# Altium PCB ANTS-MotherBoard-B1.PcbDoc (part 2 of 2)
Units mm, origin at the board's own origin, x right, y up, seen from the top; angles counter-clockwise.
Board outline 200 x 200 mm, 2 copper layers (Top Layer, Bottom Layer); 40 components, 104 nets, 872 pads, 222 vias.
Unrouted connection lines stored in the file: 8.
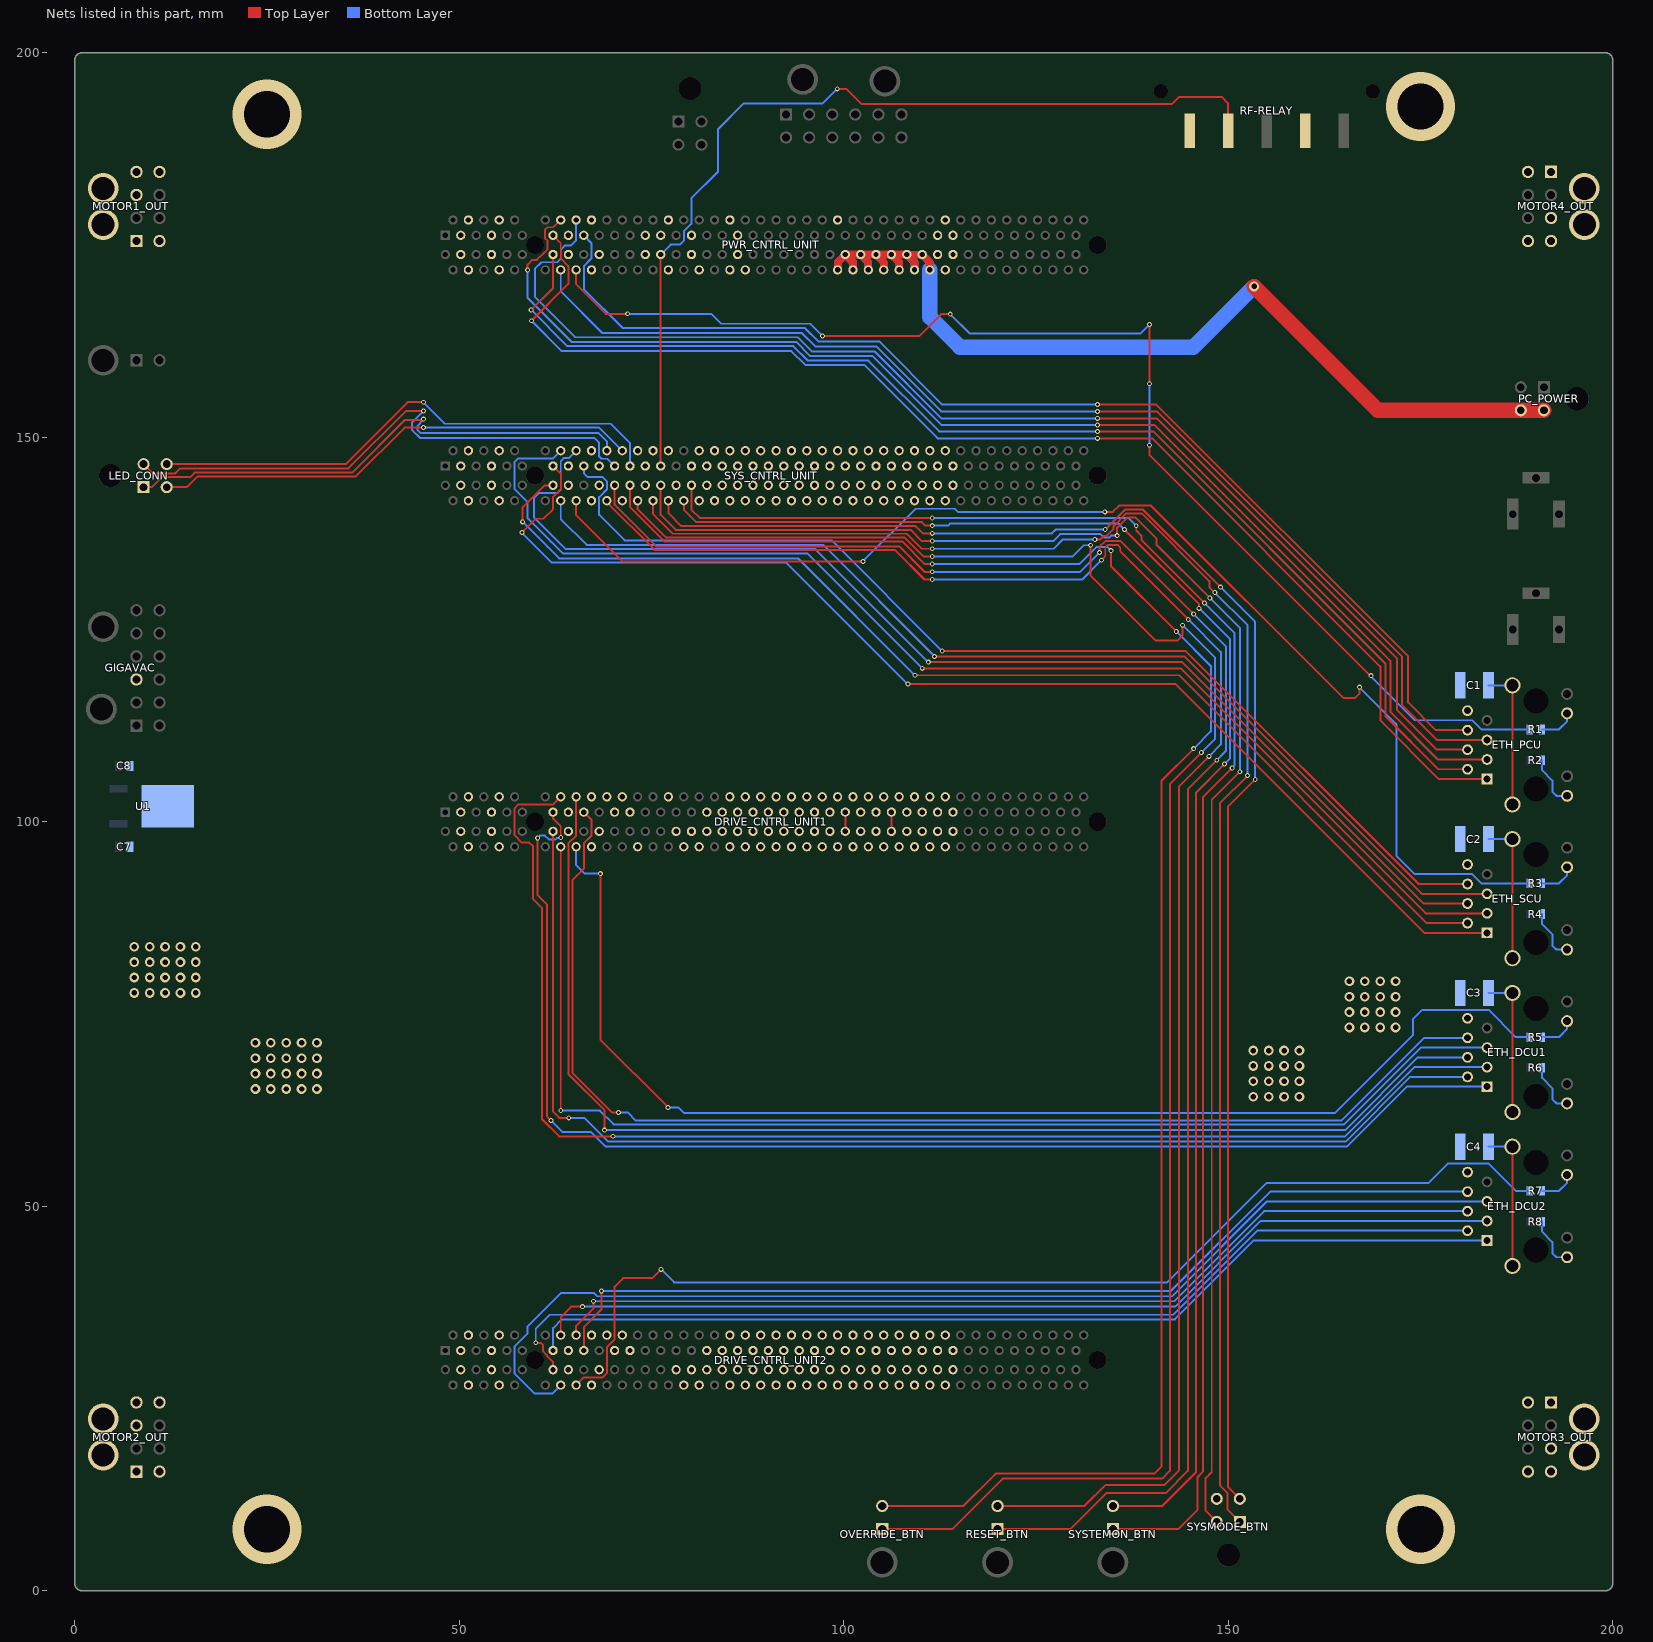
[diagram p2: the nets of this part, all layers, seen from the top]

## Via types
v1: diameter 0.635, hole 0.356, Top Layer to Bottom Layer, 132 vias
v2: diameter 1.27, hole 0.711, Top Layer to Bottom Layer, 86 vias
v3: diameter 9, hole 6, Top Layer to Bottom Layer, 4 vias

## Nets (pads, with @x,y where several pads share a name; then routed paths per layer and width w, separated by ;. In a path a pad name is that pad's centre, name@x,y a point inside that pad or via, vN(x,y) a via of type N, cw(c..) or ccw(c..) an arc to the next point about the centre after c; other vN are vias at no path point) (continued)
GND: C1.2 C2.2 C3.2 C4.2 C7.2 C8.2 DRIVE_CNTRL_UNIT1.A3 DRIVE_CNTRL_UNIT1.A4 DRIVE_CNTRL_UNIT1.A7 DRIVE_CNTRL_UNIT1.A8 DRIVE_CNTRL_UNIT1.A15 DRIVE_CNTRL_UNIT1.A18 DRIVE_CNTRL_UNIT1.A20 DRIVE_CNTRL_UNIT1.A21 DRIVE_CNTRL_UNIT1.A22 DRIVE_CNTRL_UNIT1.A23 DRIVE_CNTRL_UNIT1.A28 DRIVE_CNTRL_UNIT1.A33 DRIVE_CNTRL_UNIT1.A35 DRIVE_CNTRL_UNIT1.A36 DRIVE_CNTRL_UNIT1.A37 DRIVE_CNTRL_UNIT1.A43 DRIVE_CNTRL_UNIT1.A44 DRIVE_CNTRL_UNIT1.A50 DRIVE_CNTRL_UNIT1.A51 DRIVE_CNTRL_UNIT1.A57 DRIVE_CNTRL_UNIT1.A58 DRIVE_CNTRL_UNIT1.A64 DRIVE_CNTRL_UNIT1.A65 DRIVE_CNTRL_UNIT1.B3 DRIVE_CNTRL_UNIT1.B4 DRIVE_CNTRL_UNIT1.B7 DRIVE_CNTRL_UNIT1.B8 DRIVE_CNTRL_UNIT1.B15 DRIVE_CNTRL_UNIT1.B18 DRIVE_CNTRL_UNIT1.B19 DRIVE_CNTRL_UNIT1.B24 DRIVE_CNTRL_UNIT1.B29 DRIVE_CNTRL_UNIT1.B30 DRIVE_CNTRL_UNIT1.B31 DRIVE_CNTRL_UNIT1.B32 DRIVE_CNTRL_UNIT1.B33 DRIVE_CNTRL_UNIT1.B35 DRIVE_CNTRL_UNIT1.B36 DRIVE_CNTRL_UNIT1.B37 DRIVE_CNTRL_UNIT1.B43 DRIVE_CNTRL_UNIT1.B44 DRIVE_CNTRL_UNIT1.B50 DRIVE_CNTRL_UNIT1.B51 DRIVE_CNTRL_UNIT1.B57 DRIVE_CNTRL_UNIT1.B58 DRIVE_CNTRL_UNIT1.B64 DRIVE_CNTRL_UNIT1.B65 DRIVE_CNTRL_UNIT2.A3 DRIVE_CNTRL_UNIT2.A4 DRIVE_CNTRL_UNIT2.A7 DRIVE_CNTRL_UNIT2.A8 DRIVE_CNTRL_UNIT2.A15 DRIVE_CNTRL_UNIT2.A18 DRIVE_CNTRL_UNIT2.A20 DRIVE_CNTRL_UNIT2.A21 DRIVE_CNTRL_UNIT2.A22 DRIVE_CNTRL_UNIT2.A23 DRIVE_CNTRL_UNIT2.A33 DRIVE_CNTRL_UNIT2.A35 DRIVE_CNTRL_UNIT2.A36 DRIVE_CNTRL_UNIT2.A37 DRIVE_CNTRL_UNIT2.A43 DRIVE_CNTRL_UNIT2.A44 DRIVE_CNTRL_UNIT2.A50 DRIVE_CNTRL_UNIT2.A51 DRIVE_CNTRL_UNIT2.A57 DRIVE_CNTRL_UNIT2.A58 DRIVE_CNTRL_UNIT2.A64 DRIVE_CNTRL_UNIT2.A65 DRIVE_CNTRL_UNIT2.B3 DRIVE_CNTRL_UNIT2.B4 DRIVE_CNTRL_UNIT2.B7 DRIVE_CNTRL_UNIT2.B8 DRIVE_CNTRL_UNIT2.B15 DRIVE_CNTRL_UNIT2.B18 DRIVE_CNTRL_UNIT2.B19 DRIVE_CNTRL_UNIT2.B29 DRIVE_CNTRL_UNIT2.B30 DRIVE_CNTRL_UNIT2.B31 DRIVE_CNTRL_UNIT2.B32 DRIVE_CNTRL_UNIT2.B33 DRIVE_CNTRL_UNIT2.B35 DRIVE_CNTRL_UNIT2.B36 DRIVE_CNTRL_UNIT2.B37 DRIVE_CNTRL_UNIT2.B43 DRIVE_CNTRL_UNIT2.B44 DRIVE_CNTRL_UNIT2.B50 DRIVE_CNTRL_UNIT2.B51 DRIVE_CNTRL_UNIT2.B57 DRIVE_CNTRL_UNIT2.B58 DRIVE_CNTRL_UNIT2.B64 DRIVE_CNTRL_UNIT2.B65 ETH_DCU1.8 ETH_DCU2.8 ETH_PCU.8 ETH_SCU.8 GIGAVAC.3 MOTOR1_OUT.3 MOTOR1_OUT.MH1 MOTOR1_OUT.MH2 MOTOR2_OUT.3 MOTOR2_OUT.MH1 MOTOR2_OUT.MH2 MOTOR3_OUT.3 MOTOR3_OUT.MH1 MOTOR3_OUT.MH2 MOTOR4_OUT.3 MOTOR4_OUT.MH1 MOTOR4_OUT.MH2 PWR_CNTRL_UNIT.A3 PWR_CNTRL_UNIT.A4 PWR_CNTRL_UNIT.A7 PWR_CNTRL_UNIT.A8 PWR_CNTRL_UNIT.A15 PWR_CNTRL_UNIT.A18 PWR_CNTRL_UNIT.A25 PWR_CNTRL_UNIT.A27 PWR_CNTRL_UNIT.A28 PWR_CNTRL_UNIT.A31 PWR_CNTRL_UNIT.A36 PWR_CNTRL_UNIT.A37 PWR_CNTRL_UNIT.A50 PWR_CNTRL_UNIT.A63 PWR_CNTRL_UNIT.A64 PWR_CNTRL_UNIT.A65 PWR_CNTRL_UNIT.B3 PWR_CNTRL_UNIT.B4 PWR_CNTRL_UNIT.B7 PWR_CNTRL_UNIT.B8 PWR_CNTRL_UNIT.B15 PWR_CNTRL_UNIT.B18 PWR_CNTRL_UNIT.B19 PWR_CNTRL_UNIT.B25 PWR_CNTRL_UNIT.B28 PWR_CNTRL_UNIT.B31 PWR_CNTRL_UNIT.B32 PWR_CNTRL_UNIT.B36 PWR_CNTRL_UNIT.B37 PWR_CNTRL_UNIT.B38 PWR_CNTRL_UNIT.B63 PWR_CNTRL_UNIT.B64 PWR_CNTRL_UNIT.B65 RF-RELAY.2 RF-RELAY.5 SYS_CNTRL_UNIT.A3 SYS_CNTRL_UNIT.A4 SYS_CNTRL_UNIT.A7 SYS_CNTRL_UNIT.A8 SYS_CNTRL_UNIT.A15 SYS_CNTRL_UNIT.A18 SYS_CNTRL_UNIT.A19 SYS_CNTRL_UNIT.A24 SYS_CNTRL_UNIT.A25 SYS_CNTRL_UNIT.A26 SYS_CNTRL_UNIT.A28 SYS_CNTRL_UNIT.A31 SYS_CNTRL_UNIT.A32 SYS_CNTRL_UNIT.A33 SYS_CNTRL_UNIT.A34 SYS_CNTRL_UNIT.A35 SYS_CNTRL_UNIT.A36 SYS_CNTRL_UNIT.A37 SYS_CNTRL_UNIT.A38 SYS_CNTRL_UNIT.A39 SYS_CNTRL_UNIT.A40 SYS_CNTRL_UNIT.A41 SYS_CNTRL_UNIT.A42 SYS_CNTRL_UNIT.A43 SYS_CNTRL_UNIT.A44 SYS_CNTRL_UNIT.A45 SYS_CNTRL_UNIT.A46 SYS_CNTRL_UNIT.A47 SYS_CNTRL_UNIT.A48 SYS_CNTRL_UNIT.A49 SYS_CNTRL_UNIT.A50 SYS_CNTRL_UNIT.A51 SYS_CNTRL_UNIT.A52 SYS_CNTRL_UNIT.A53 SYS_CNTRL_UNIT.A54 SYS_CNTRL_UNIT.A55 SYS_CNTRL_UNIT.A56 SYS_CNTRL_UNIT.A57 SYS_CNTRL_UNIT.A58 SYS_CNTRL_UNIT.A59 SYS_CNTRL_UNIT.A60 SYS_CNTRL_UNIT.A61 SYS_CNTRL_UNIT.A62 SYS_CNTRL_UNIT.A63 SYS_CNTRL_UNIT.A64 SYS_CNTRL_UNIT.A65 SYS_CNTRL_UNIT.B3 SYS_CNTRL_UNIT.B4 SYS_CNTRL_UNIT.B7 SYS_CNTRL_UNIT.B8 SYS_CNTRL_UNIT.B15 SYS_CNTRL_UNIT.B18 SYS_CNTRL_UNIT.B19 SYS_CNTRL_UNIT.B22 SYS_CNTRL_UNIT.B25 SYS_CNTRL_UNIT.B29 SYS_CNTRL_UNIT.B32 SYS_CNTRL_UNIT.B33 SYS_CNTRL_UNIT.B34 SYS_CNTRL_UNIT.B35 SYS_CNTRL_UNIT.B36 SYS_CNTRL_UNIT.B37 SYS_CNTRL_UNIT.B38 SYS_CNTRL_UNIT.B39 SYS_CNTRL_UNIT.B40 SYS_CNTRL_UNIT.B41 SYS_CNTRL_UNIT.B42 SYS_CNTRL_UNIT.B43 SYS_CNTRL_UNIT.B44 SYS_CNTRL_UNIT.B45 SYS_CNTRL_UNIT.B46 SYS_CNTRL_UNIT.B47 SYS_CNTRL_UNIT.B48 SYS_CNTRL_UNIT.B49 SYS_CNTRL_UNIT.B50 SYS_CNTRL_UNIT.B51 SYS_CNTRL_UNIT.B52 SYS_CNTRL_UNIT.B53 SYS_CNTRL_UNIT.B54 SYS_CNTRL_UNIT.B55 SYS_CNTRL_UNIT.B56 SYS_CNTRL_UNIT.B57 SYS_CNTRL_UNIT.B58 SYS_CNTRL_UNIT.B59 SYS_CNTRL_UNIT.B60 SYS_CNTRL_UNIT.B61 SYS_CNTRL_UNIT.B62 SYS_CNTRL_UNIT.B63 SYS_CNTRL_UNIT.B64 SYS_CNTRL_UNIT.B65 SYSMODE_BTN.4 U1.4 | length 7.7
  Top Layer w0.254: DRIVE_CNTRL_UNIT1.B43@92.2,98.75 DRIVE_CNTRL_UNIT1.A43@92.2,101.25 ; DRIVE_CNTRL_UNIT1.B51@100.2,98.75 DRIVE_CNTRL_UNIT1.A51@100.2,101.25 ; DRIVE_CNTRL_UNIT1.B57@106.2,98.75 106.327,98.75 106.2,98.877 DRIVE_CNTRL_UNIT1.A57@106.2,101.25
  other v3: 25,8 175,8 25,192 175,193
GND_ETH_DCU1: C3.1 ETH_DCU1.S1 ETH_DCU1.S2 | length 18.6
  Top Layer w0.254: ETH_DCU1.S1@186.95,62.255 ETH_DCU1.S2@186.95,77.745
  Bottom Layer w0.254: C3.1@183.855,77.745 ETH_DCU1.S2@186.95,77.745
GND_ETH_DCU2: C4.1 ETH_DCU2.S1 ETH_DCU2.S2 | length 18.6
  Top Layer w0.254: ETH_DCU2.S1@186.95,42.255 ETH_DCU2.S2@186.95,57.745
  Bottom Layer w0.254: C4.1@183.855,57.745 ETH_DCU2.S2@186.95,57.745
GND_ETH_PCU: C1.1 ETH_PCU.S1 ETH_PCU.S2 | length 18.6
  Top Layer w0.254: ETH_PCU.S1@186.95,102.255 ETH_PCU.S2@186.95,117.745
  Bottom Layer w0.254: C1.1@183.85,117.75 183.855,117.745 ETH_PCU.S2@186.95,117.745
GND_ETH_SCU: C2.1 ETH_SCU.S1 ETH_SCU.S2 | length 18.6
  Top Layer w0.254: ETH_SCU.S1@186.95,82.255 ETH_SCU.S2@186.95,97.745
  Bottom Layer w0.254: C2.1@183.855,97.745 ETH_SCU.S2@186.95,97.745
LED_GND: LED_CONN.4 SYS_CNTRL_UNIT.A23 | length 68.9
  Top Layer w0.254: LED_CONN.4@11.965,146.5 11.965,146.565 12.05,146.65 12.2,146.5 35.25,146.5 43.3,154.55 v1(45.35,154.55)
  Bottom Layer w0.254: v1(45.35,154.55) 48.15,151.75 69.7,151.75 72.2,149.25 SYS_CNTRL_UNIT.A23@72.2,146.25
LED_MOSI: LED_CONN.2 SYS_CNTRL_UNIT.A21 | length 72.9
  Top Layer w0.254: LED_CONN.2@8.965,146.5 8.965,146.485 9.05,146.4 9.065,146.4 10.165,145.3 13.1,145.3 13.75,145.95 35.6,145.95 43.05,153.4 v1(45.35,153.4)
  Bottom Layer w0.254: v1(45.35,153.4) 43.85,151.9 43.85,150.95 44.9,149.9 67.55,149.9 68.2,149.25 68.2,147.5 68.5,147.2 69.25,147.2 SYS_CNTRL_UNIT.A21@70.2,146.25 ; SYS_CNTRL_UNIT.A21@70.2,146.25 70.25,146.2 70.3,146.2 70.25,146.25 SYS_CNTRL_UNIT.A21@70.2,146.25
LED_PWR: LED_CONN.1 SYS_CNTRL_UNIT.A20 | length 68.2
  Top Layer w0.254: LED_CONN.1@8.965,143.5 10.05,143.5 11.35,144.8 15,144.8 15.6,145.4 36.1,145.4 42.95,152.25 v1@45.35,152.25
  Bottom Layer w0.254: v1@45.35,152.25 44.55,151.45 44.55,150.95 44.95,150.55 68.1,150.55 69.2,149.45 SYS_CNTRL_UNIT.A20@69.2,148.25 SYS_CNTRL_UNIT.A20@69.3,148.25
  other v1: 45.35,152.35
LED_SCLK: LED_CONN.3 SYS_CNTRL_UNIT.A22 | length 63.7
  Top Layer w0.254: LED_CONN.3@11.965,143.5 14.6,143.5 16,144.9 36.55,144.9 42.9,151.25 v1(45.35,151.25)
  Bottom Layer w0.254: v1(45.35,151.25) 68.2,151.25 71.15,148.3 71.2,148.3 SYS_CNTRL_UNIT.A22@71.2,148.25
LINK_LED_DCU1: DRIVE_CNTRL_UNIT1.B16 R5.2 | length 160.7
  Top Layer w0.254: v1(68.35,93.25) 68.35,71.65 v1(77.15,62.85)
  Bottom Layer w0.254: DRIVE_CNTRL_UNIT1.B16@65.2,96.75 65.2,94.35 66.3,93.25 v1(68.35,93.25) ; v1(77.15,62.85) 78.5,62.85 79.2,62.15 163.9,62.15 174,72.25 174,74.35 175.2,75.55 183.85,75.55 187.4,72 189.15,72 189.2,71.95 R5.2@189.2,72
LINK_LED_DCU2: DRIVE_CNTRL_UNIT2.B16 R7.2 | length 144.9
  Top Layer w0.254: DRIVE_CNTRL_UNIT2.B16@65.2,26.75 65.2,26.85 65.3,26.85 66.2,27.75 68.65,27.75 69.2,28.3 69.2,31.7 70.2,32.7 70.2,39.55 71.3,40.65 75.1,40.65 v1(76.25,41.8)
  Bottom Layer w0.254: v1(76.25,41.8) 77.95,40.1 142.05,40.1 154.95,53 176,53 178.55,55.55 183.85,55.55 187.4,52 R7.2@189.2,52
LINK_LED_PCU: PWR_CNTRL_UNIT.B16 R1.2 | length 163.1
  Top Layer w0.254: PWR_CNTRL_UNIT.B16@65.2,171.75 65.2,169.9 69.05,166.05 v1(71.9,166.05) ; v1(97.25,163.15) 109.8,163.15 112.65,166 v1(113.85,166) ; v1(139.75,148.95) 139.75,147.7 168.45,119 v1(168.55,119) ; v1(139.75,156.95) v1(139.75,164.65)
  Bottom Layer w0.254: v1(71.9,166.05) 82.8,166.05 84.1,164.75 95.65,164.75 v1(97.25,163.15) ; v1(113.85,166) 116.35,163.5 138.6,163.5 v1(139.75,164.65) ; v1(139.75,148.95) v1(139.75,156.95) ; v1(168.55,119) 168.55,118.9 174.25,113.2 181.7,113.2 182.9,112 R1.2@189.2,112
LINK_LED_SCU: R3.2 SYS_CNTRL_UNIT.B16 | length 163.7
  Top Layer w0.254: SYS_CNTRL_UNIT.B16@65.2,141.75 65.2,139.85 71.2,133.85 v1(102.5,133.85) ; v1(133.95,140.3) 135,140.3 135.8,141.1 139.95,141.1 164.95,116.1 166.5,116.1 167.05,116.65 v1(167.05,117.5)
  Bottom Layer w0.254: v1(102.5,133.85) 109.35,140.7 114.45,140.7 114.85,140.3 v1(133.95,140.3) ; v1(167.05,117.5) 171.85,112.7 171.85,95.6 174.25,93.2 181.7,93.2 182.9,92 R3.2@189.2,92
MOTOR1_CHA: DRIVE_CNTRL_UNIT1.A38 DRIVE_CNTRL_UNIT1.A39 DRIVE_CNTRL_UNIT1.A40 DRIVE_CNTRL_UNIT1.A41 DRIVE_CNTRL_UNIT1.A42 DRIVE_CNTRL_UNIT2.A38 DRIVE_CNTRL_UNIT2.A39 DRIVE_CNTRL_UNIT2.A40 DRIVE_CNTRL_UNIT2.A41 DRIVE_CNTRL_UNIT2.A42 MOTOR1_OUT.1 MOTOR1_OUT.5
MOTOR1_CHB: DRIVE_CNTRL_UNIT1.A45 DRIVE_CNTRL_UNIT1.A46 DRIVE_CNTRL_UNIT1.A47 DRIVE_CNTRL_UNIT1.A48 DRIVE_CNTRL_UNIT1.A49 DRIVE_CNTRL_UNIT2.A45 DRIVE_CNTRL_UNIT2.A46 DRIVE_CNTRL_UNIT2.A47 DRIVE_CNTRL_UNIT2.A48 DRIVE_CNTRL_UNIT2.A49 MOTOR1_OUT.4 MOTOR1_OUT.8
MOTOR2_CHA: DRIVE_CNTRL_UNIT1.B38 DRIVE_CNTRL_UNIT1.B39 DRIVE_CNTRL_UNIT1.B40 DRIVE_CNTRL_UNIT1.B41 DRIVE_CNTRL_UNIT1.B42 DRIVE_CNTRL_UNIT2.B38 DRIVE_CNTRL_UNIT2.B39 DRIVE_CNTRL_UNIT2.B40 DRIVE_CNTRL_UNIT2.B41 DRIVE_CNTRL_UNIT2.B42 MOTOR2_OUT.4 MOTOR2_OUT.8
  other v2: 7.75,77.75 9.75,77.75 11.75,77.75 13.75,77.75 15.75,77.75 7.75,79.75 9.75,79.75 11.75,79.75 13.75,79.75 15.75,79.75 7.75,81.75 9.75,81.75 11.75,81.75 13.75,81.75 15.75,81.75 7.75,83.75 9.75,83.75 11.75,83.75 13.75,83.75 15.75,83.75
MOTOR2_CHB: DRIVE_CNTRL_UNIT1.B45 DRIVE_CNTRL_UNIT1.B46 DRIVE_CNTRL_UNIT1.B47 DRIVE_CNTRL_UNIT1.B48 DRIVE_CNTRL_UNIT1.B49 DRIVE_CNTRL_UNIT2.B45 DRIVE_CNTRL_UNIT2.B46 DRIVE_CNTRL_UNIT2.B47 DRIVE_CNTRL_UNIT2.B48 DRIVE_CNTRL_UNIT2.B49 MOTOR2_OUT.1 MOTOR2_OUT.5
  other v2: 23.5,65.25 25.5,65.25 27.5,65.25 29.5,65.25 31.5,65.25 23.5,67.25 25.5,67.25 27.5,67.25 29.5,67.25 31.5,67.25 23.5,69.25 25.5,69.25 27.5,69.25 29.5,69.25 31.5,69.25 23.5,71.25 25.5,71.25 27.5,71.25 29.5,71.25 31.5,71.25
MOTOR3_CHA: DRIVE_CNTRL_UNIT1.B52 DRIVE_CNTRL_UNIT1.B53 DRIVE_CNTRL_UNIT1.B54 DRIVE_CNTRL_UNIT1.B55 DRIVE_CNTRL_UNIT1.B56 DRIVE_CNTRL_UNIT2.B52 DRIVE_CNTRL_UNIT2.B53 DRIVE_CNTRL_UNIT2.B54 DRIVE_CNTRL_UNIT2.B55 DRIVE_CNTRL_UNIT2.B56 MOTOR3_OUT.4 MOTOR3_OUT.8
  other v2: 153.25,64.25 155.25,64.25 157.25,64.25 159.25,64.25 153.25,66.25 155.25,66.25 157.25,66.25 159.25,66.25 153.25,68.25 155.25,68.25 157.25,68.25 159.25,68.25 153.25,70.25 155.25,70.25 157.25,70.25 159.25,70.25
MOTOR3_CHB: DRIVE_CNTRL_UNIT1.B59 DRIVE_CNTRL_UNIT1.B60 DRIVE_CNTRL_UNIT1.B61 DRIVE_CNTRL_UNIT1.B62 DRIVE_CNTRL_UNIT1.B63 DRIVE_CNTRL_UNIT2.B59 DRIVE_CNTRL_UNIT2.B60 DRIVE_CNTRL_UNIT2.B61 DRIVE_CNTRL_UNIT2.B62 DRIVE_CNTRL_UNIT2.B63 MOTOR3_OUT.1 MOTOR3_OUT.5
  other v2: 165.75,73.25 167.75,73.25 169.75,73.25 171.75,73.25 165.75,75.25 167.75,75.25 169.75,75.25 171.75,75.25 165.75,77.25 167.75,77.25 169.75,77.25 171.75,77.25 165.75,79.25 167.75,79.25 169.75,79.25 171.75,79.25
MOTOR4_CHA: DRIVE_CNTRL_UNIT1.A52 DRIVE_CNTRL_UNIT1.A53 DRIVE_CNTRL_UNIT1.A54 DRIVE_CNTRL_UNIT1.A55 DRIVE_CNTRL_UNIT1.A56 DRIVE_CNTRL_UNIT2.A52 DRIVE_CNTRL_UNIT2.A53 DRIVE_CNTRL_UNIT2.A54 DRIVE_CNTRL_UNIT2.A55 DRIVE_CNTRL_UNIT2.A56 MOTOR4_OUT.1 MOTOR4_OUT.5
MOTOR4_CHB: DRIVE_CNTRL_UNIT1.A59 DRIVE_CNTRL_UNIT1.A60 DRIVE_CNTRL_UNIT1.A61 DRIVE_CNTRL_UNIT1.A62 DRIVE_CNTRL_UNIT1.A63 DRIVE_CNTRL_UNIT2.A59 DRIVE_CNTRL_UNIT2.A60 DRIVE_CNTRL_UNIT2.A61 DRIVE_CNTRL_UNIT2.A62 DRIVE_CNTRL_UNIT2.A63 MOTOR4_OUT.4 MOTOR4_OUT.8
NetETH_DCU1_9: ETH_DCU1.9 R6.1 | length 6.8
  Bottom Layer w0.254: R6.1@190.8,68 190.8,66.7 192.15,65.35 192.15,63.9 192.675,63.375 ETH_DCU1.9@194.06,63.375
NetETH_DCU1_11: ETH_DCU1.11 R5.1 | length 4.7
  Bottom Layer w0.254: R5.1@190.8,72 193,72 194.06,73.06 ETH_DCU1.11@194.06,74.085
NetETH_DCU2_9: ETH_DCU2.9 R8.1 | length 6.8
  Bottom Layer w0.254: R8.1@190.8,48 190.8,46.7 192.15,45.35 192.15,43.9 192.675,43.375 ETH_DCU2.9@194.06,43.375
NetETH_DCU2_11: ETH_DCU2.11 R7.1 | length 4.7
  Bottom Layer w0.254: R7.1@190.8,52 193,52 194.06,53.06 ETH_DCU2.11@194.06,54.085
NetETH_PCU_9: ETH_PCU.9 R2.1 | length 6.8
  Bottom Layer w0.254: R2.1@190.8,108 190.8,106.7 192.15,105.35 192.15,103.9 192.675,103.375 ETH_PCU.9@194.06,103.375
NetETH_PCU_11: ETH_PCU.11 R1.1 | length 4.7
  Bottom Layer w0.254: R1.1@190.8,112 193,112 194.06,113.06 ETH_PCU.11@194.06,114.085
NetETH_SCU_9: ETH_SCU.9 R4.1 | length 6.8
  Bottom Layer w0.254: R4.1@190.8,88 190.8,86.7 192.15,85.35 192.15,83.9 192.675,83.375 ETH_SCU.9@194.06,83.375
NetETH_SCU_11: ETH_SCU.11 R3.1 | length 4.7
  Bottom Layer w0.254: R3.1@190.8,92 193,92 194.06,93.06 ETH_SCU.11@194.06,94.085
PC_GND: PC_POWER.2 PC_POWER.4 PWR_CNTRL_UNIT.B50 PWR_CNTRL_UNIT.B51 PWR_CNTRL_UNIT.B52 PWR_CNTRL_UNIT.B53 PWR_CNTRL_UNIT.B54 PWR_CNTRL_UNIT.B55 PWR_CNTRL_UNIT.B56 PWR_CNTRL_UNIT.B57 PWR_CNTRL_UNIT.B58 PWR_CNTRL_UNIT.B59 PWR_CNTRL_UNIT.B60 PWR_CNTRL_UNIT.B61 PWR_CNTRL_UNIT.B62 | length 141.4
  Top Layer w1: PWR_CNTRL_UNIT.B50@99.2,171.75 99.2,172.75 PWR_CNTRL_UNIT.B51@100.2,173.75 ; PWR_CNTRL_UNIT.B52@101.2,171.75 101.2,172.75 PWR_CNTRL_UNIT.B51@100.2,173.75 ; PWR_CNTRL_UNIT.B54@103.2,171.75 103.2,172.75 PWR_CNTRL_UNIT.B53@102.2,173.75 ; PWR_CNTRL_UNIT.B56@105.2,171.75 105.2,172.75 PWR_CNTRL_UNIT.B55@104.2,173.75 ; PWR_CNTRL_UNIT.B58@107.2,171.75 107.2,172.75 PWR_CNTRL_UNIT.B57@106.2,173.75 ; PWR_CNTRL_UNIT.B60@109.2,171.75 109.2,172.75 PWR_CNTRL_UNIT.B59@108.2,173.75 ; PWR_CNTRL_UNIT.B62@111.2,171.75 111.2,172.75 PWR_CNTRL_UNIT.B61@110.2,173.75 110.16,173.71 108.51,173.71 108.45,173.65 108.35,173.75 PWR_CNTRL_UNIT.B59@108.2,173.75 ; PWR_CNTRL_UNIT.B51@100.2,173.75 PWR_CNTRL_UNIT.B53@102.2,173.75 ; PWR_CNTRL_UNIT.B53@102.2,173.75 PWR_CNTRL_UNIT.B55@104.2,173.75 ; PWR_CNTRL_UNIT.B55@104.2,173.75 PWR_CNTRL_UNIT.B57@106.2,173.75 ; PWR_CNTRL_UNIT.B57@106.2,173.75 PWR_CNTRL_UNIT.B59@108.2,173.75
  Top Layer w2: v2(153.35,169.6) 169.45,153.5 PC_POWER.4@188.035,153.5 PC_POWER.2@191.035,153.5
  Bottom Layer w1: PWR_CNTRL_UNIT.B50@99.2,171.75 99.2,172.75 PWR_CNTRL_UNIT.B51@100.2,173.75 101.2,172.75 PWR_CNTRL_UNIT.B52@101.2,171.75 ; PWR_CNTRL_UNIT.B53@102.2,173.75 103.2,172.75 PWR_CNTRL_UNIT.B54@103.2,171.75 ; PWR_CNTRL_UNIT.B55@104.2,173.75 105.2,172.75 PWR_CNTRL_UNIT.B56@105.2,171.75 ; PWR_CNTRL_UNIT.B57@106.2,173.75 107.2,172.75 PWR_CNTRL_UNIT.B58@107.2,171.75 ; PWR_CNTRL_UNIT.B59@108.2,173.75 109.2,172.75 PWR_CNTRL_UNIT.B60@109.2,171.75 ; PWR_CNTRL_UNIT.B61@110.2,173.75 111.2,172.75 PWR_CNTRL_UNIT.B62@111.2,171.75
  Bottom Layer w2: PWR_CNTRL_UNIT.B62@111.2,171.75 111.2,165.6 115.1,161.7 145.45,161.7 v2(153.35,169.6)
RCT_DCU1: DRIVE_CNTRL_UNIT1.B14 ETH_DCU1.6 | length 159.6
  Top Layer w0.254: v1(63.2,62.45) DRIVE_CNTRL_UNIT1.B14@63.2,96.75
  Bottom Layer w0.254: v1(63.2,62.45) 68.277,62.45 70.077,60.65 165.05,60.65 175.035,70.635 ETH_DCU1.6@183.65,70.635
RCT_DCU2: DRIVE_CNTRL_UNIT2.B14 ETH_DCU2.6 | length 146.2
  Bottom Layer w0.254: DRIVE_CNTRL_UNIT2.B14@63.2,26.75 62.1,25.65 59.8,25.65 57.2,28.25 57.2,31.8 58.85,33.45 58.85,34.35 63.2,38.7 67.55,38.7 67.949,38.301 142.701,38.301 155.035,50.635 ETH_DCU2.6@183.65,50.635
RCT_PCU: ETH_PCU.6 PWR_CNTRL_UNIT.B14 | length 151.1
  Top Layer w0.254: v1(133,153.35) 140.7,153.35 172.6,121.45 172.6,115.15 177.115,110.635 ETH_PCU.6@183.65,110.635
  Bottom Layer w0.254: PWR_CNTRL_UNIT.B14@63.2,171.75 63.2,168.95 68.6,163.55 94.55,163.55 96.3,161.8 104.2,161.8 112.65,153.35 v1(133,153.35)
RCT_SCU: ETH_SCU.6 SYS_CNTRL_UNIT.B14 | length 143
  Top Layer w0.254: v1(111.8,121.5) 144.3,121.5 175.165,90.635 ETH_SCU.6@183.65,90.635